# Altium PCB STB_LightBoard.PcbDoc (part 11 of 31) (continued)
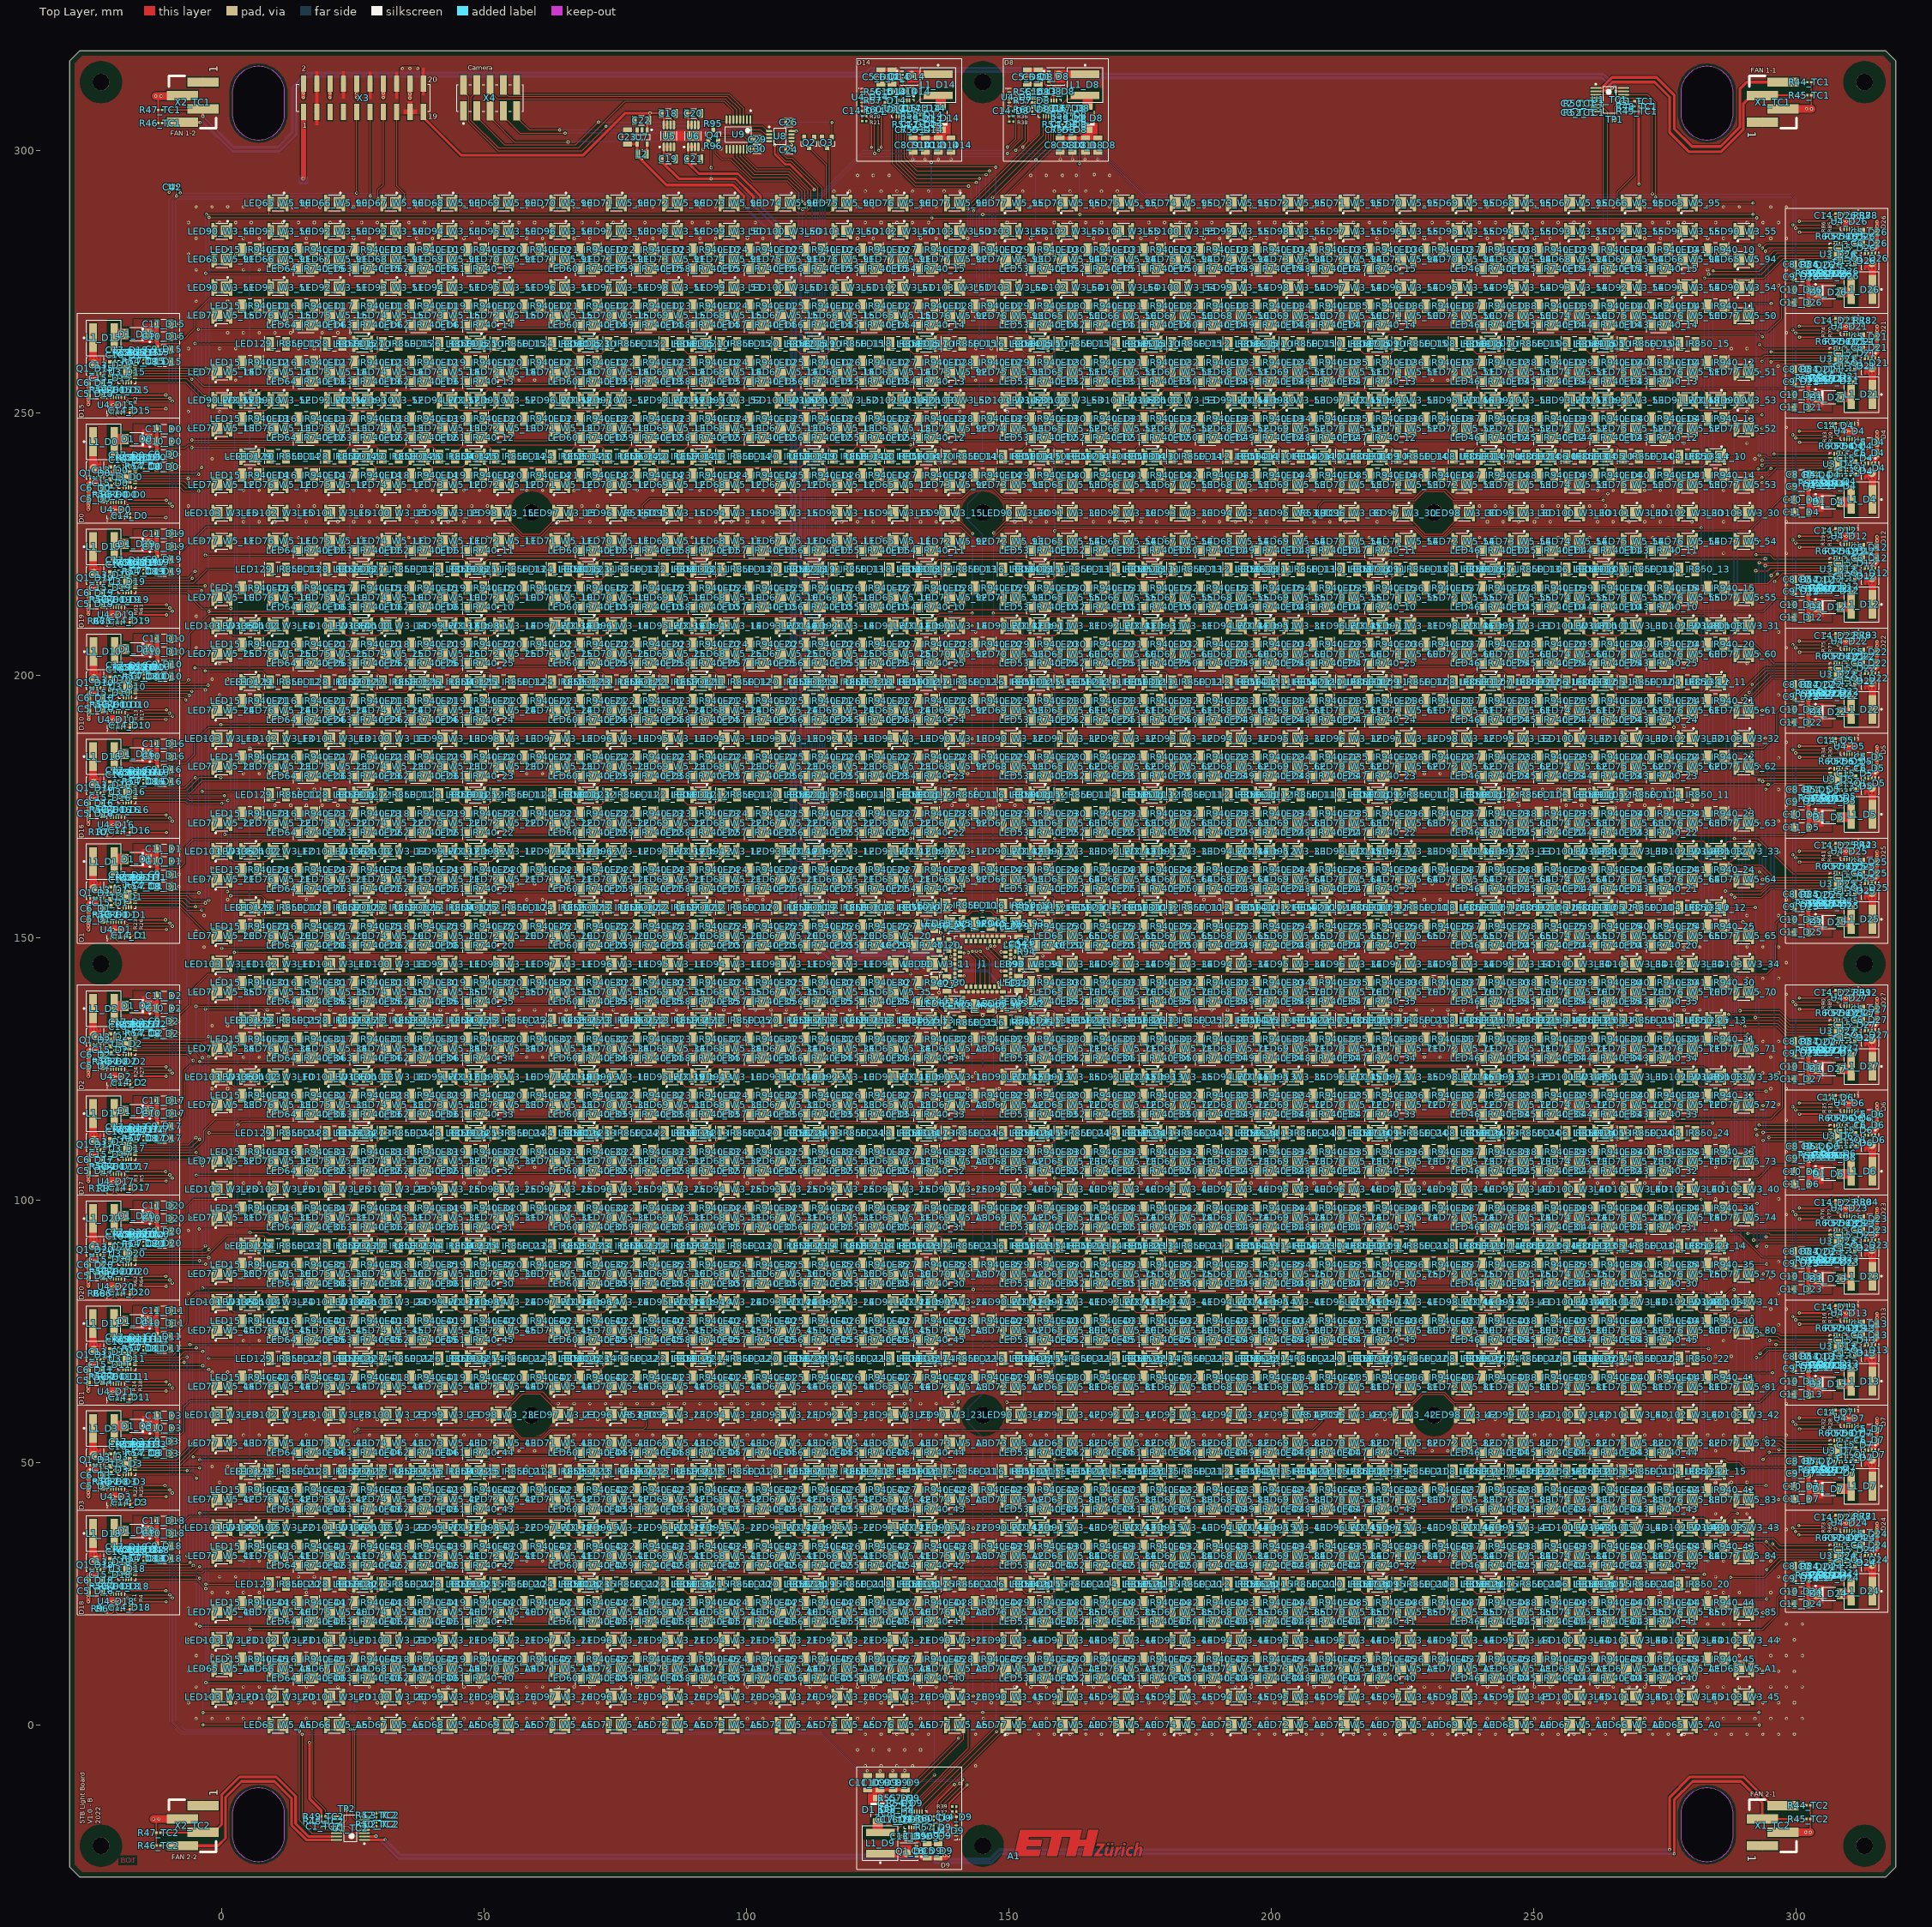
[diagram p0: Top Layer view]
## Part data (continued)
C2_TC1 C2_TC2 C3_TC1 C3_TC2: library part CMP-2008-02464-1, Capacitor Type=Ceramic, Manufacturer="AVX Interconnect / Elco", Manufacturer Part Number=04023A101KAT2A, Max Operating Temperature=125°C, Min Operating Temperature=-55°C, Negative Tolerance=10%, Package Shape=Rectangular, Package Style=SMTMeter, Rated DC Voltage (URdc)=25V, Supplier Part Number 1=478-12608-6-ND, Temperature Characteristics Code=C0G, Category="Ceramic Capacitors", ComponentLink1Description=https://datasheet.ciiva.com:443/pdfs/VipMasterIC/IC/AVXC/AVXC-S-A0008899940/AVXC-S-A0008899940-1.pdf?src-supplier=IHS+Markit, ComponentLink1URL=https://datasheet.ciiva.com:443/pdfs/VipMasterIC/IC/AVXC/AVXC-S-A0008899940/AVXC-S-A0008899940-1.pdf?src-supplier=IHS+Markit, ComponentLink2Description=https://datasheet.ciiva.com/26949/getdatasheetpartid-709922-26949850.pdf?src-supplier=Verical, ComponentLink2URL=https://datasheet.ciiva.com/26949/getdatasheetpartid-709922-26949850.pdf?src-supplier=Verical, ComponentLink3Description=https://datasheet.ciiva.com/206/ccog-206339.pdf?src-supplier=Digi-Key, ComponentLink3URL=https://datasheet.ciiva.com/206/ccog-206339.pdf?src-supplier=Digi-Key, ComponentLink4Description=https://datasheet.ciiva.com/7348/759117-7348584.pdf?src-supplier=Newark, ComponentLink4URL=https://datasheet.ciiva.com/7348/759117-7348584.pdf?src-supplier=Newark, ComponentLink5Description=https://datasheet.ciiva.com/2990/ccog-2990123.pdf?src-supplier=Avnet, ComponentLink5URL=https://datasheet.ciiva.com/2990/ccog-2990123.pdf?src-supplier=Avnet, ComponentLink6Description=https://datasheet.ciiva.com/28453/1796416-28453629.pdf?src-supplier=Element14, ComponentLink6URL=https://datasheet.ciiva.com/28453/1796416-28453629.pdf?src-supplier=Element14, Dielectric Material=Ceramic, Height=0.56mm, JESD-609 Code=e3, Length=1mm, Mount="Surface Mount", Multilayer=Yes, Number of Pins=2, Packaging="Tape and Reel", Part Number=04023A101KAT2A, Positive Tolerance=10%, Pricing 1="1=0.11000, 10=0.07800, 50=0.04240, 100=0.03460, 500=0.02474, 1000=0.01944, 2500=0.01768, 5000=0.01626 (USD)", REACH SVHC=Yes, RoHS=Yes, RoHS Compliant=Yes, Size Code=0402, Stock 1=32266, Supplier 1=Digi-Key, Terminal Finish=Nickel, Termination=Wraparound, Width=0.5mm
C5_D0 C5_D1 C5_D2 C5_D3 C5_D4 C5_D5 C5_D6 C5_D7 C5_D8 C5_D9 C5_D10 C5_D11 C5_D12 C5_D13 C5_D14 C5_D15 C5_D16 C5_D17 C5_D18 C5_D19 C5_D20 C5_D21 C5_D22 C5_D23 C5_D24 C5_D25 C5_D26 C5_D27 C6_D0 C6_D1 C6_D2 C6_D3 C6_D4 C6_D5 C6_D6 C6_D7 C6_D8 C6_D9 C6_D10 C6_D11 C6_D12 C6_D13 C6_D14 C6_D15 C6_D16 C6_D17 C6_D18 C6_D19 C6_D20 C6_D21 C6_D22 C6_D23 C6_D24 C6_D25 C6_D26 C6_D27 C8_D0 C8_D1 C8_D2 C8_D3 C8_D4 C8_D5 C8_D6 C8_D7 C8_D8 C8_D9 C8_D10 C8_D11 C8_D12 C8_D13 C8_D14 C8_D15 C8_D16 C8_D17 C8_D18 C8_D19 C8_D20 C8_D21 C8_D22 C8_D23 C8_D24 C8_D25 C8_D26 C8_D27 C9_D0 C9_D1 C9_D2 C9_D3 C9_D4 C9_D5 C9_D6 C9_D7 C9_D8 C9_D9 C9_D10 C9_D11 C9_D12 C9_D13 C9_D14 C9_D15 C9_D16 C9_D17 C9_D18 C9_D19 C9_D20 C9_D21 C9_D22 C9_D23 C9_D24 C9_D25 C9_D26 C9_D27 C10_D0 C10_D1 C10_D2 C10_D3 C10_D4 C10_D5 C10_D6 C10_D7 C10_D8 C10_D9 C10_D10 C10_D11 C10_D12 C10_D13 C10_D14 C10_D15 C10_D16 C10_D17 C10_D18 C10_D19 C10_D20 C10_D21 C10_D22 C10_D23 C10_D24 C10_D25 C10_D26 C10_D27 C11_D0 C11_D1 C11_D2 C11_D3 C11_D4 C11_D5 C11_D6 C11_D7 C11_D8 C11_D9 C11_D10 C11_D11 C11_D12 C11_D13 C11_D14 C11_D15 C11_D16 C11_D17 C11_D18 C11_D19 C11_D20 C11_D21 C11_D22 C11_D23 C11_D24 C11_D25 C11_D26 C11_D27 C18 C19 C20 C21 C22 C23 C27 C31 C34: library part CMP-2000-07530-2, "CAP CER 10UF 50V X7R 1206", Capacitance=10uF, Capacitor Type=Ceramic, Manufacturer=Samsung, Manufacturer Part Number=CL31B106KBHNNNE, Max Operating Temperature=125°C, Min Operating Temperature=-55°C, Negative Tolerance=10%, Package Shape=Rectangular, Package Style=SMTMeter, Rated DC Voltage (URdc)=50V, Supplier Part Number 1=1276-6767-6-ND, Temperature="-55°C to +125°C", Temperature Characteristic=X7R, Temperature Coefficient=15%, Temperature Range High=+125°C, Automotive=No, Category=Cap, ComponentLink1Description=https://datasheet.ciiva.com:443/pdfs/VipMasterIC/IC/SEMS/SEMS-S-A0008524842/SEMS-S-A0008524770-1.pdf?src-supplier=IHS+Markit, ComponentLink1URL=https://datasheet.ciiva.com:443/pdfs/VipMasterIC/IC/SEMS/SEMS-S-A0008524842/SEMS-S-A0008524770-1.pdf?src-supplier=IHS+Markit, ComponentLink2Description=Datasheet, ComponentLink2URL=http://www.samsungsem.com/global/front/downloadcms.do?path=%2F%2Fglobal%2F%2Fsupport%2F%2Fproduct-search%2F%2Fmlcc%2F%2F__icsFiles%2F%2Fafieldfile%2F%2F2019%2F%2F06%2F%2F18&fileName=CL31B106KBHNNNE-19.pdf, ComponentLink3Description=http://www.samsungsem.com/kr/support/product-search/mlcc/CL31B106KBHNNNE.jsp?src-supplier=Digi-Key, ComponentLink3URL=http://www.samsungsem.com/kr/support/product-search/mlcc/CL31B106KBHNNNE.jsp?src-supplier=Digi-Key, Device Class L1="Passive Components", Device Class L2=Capacitors, Device Class L3="Ceramic Capacitors", Dielectric Material=Ceramic, Digikey Description="CAP CER 10UF 50V X7R 1206", Height=1.8mm, JESD-609 Code=e3, Lead Free=Yes, Length=3.2mm, Material=Ceramic, Mount="Surface Mount", Multilayer=Yes, Number of Pins=2, Octopart=https://octopart.com/cl31b106kbhnnne-samsung-30507377, Package=CL31B106KBHNNNE, Packaging="Tape and Reel", Positive Tolerance=10%, Pricing 1="1=0.33000, 10=0.22700, 50=0.15920, 100=0.13650, 500=0.10236, 1000=0.08643 (USD)", REACH SVHC=Yes, RoHS=TRUE, RoHS Compliant=Yes, Size Code=1206, Stock 1=1900998, Supplier 1=Digi-Key, Temperature Characteristics Code=X7R, Temperature Range Low=-55°C, Terminal Finish=Nickel, Termination=Wraparound, Tolerance=10%, Voltage Rating=50V, Width=1.6mm
C7_D0 C7_D1 C7_D2 C7_D3 C7_D4 C7_D5 C7_D6 C7_D7 C7_D8 C7_D9 C7_D10 C7_D11 C7_D12 C7_D13 C7_D14 C7_D15 C7_D16 C7_D17 C7_D18 C7_D19 C7_D20 C7_D21 C7_D22 C7_D23 C7_D24 C7_D25 C7_D26 C7_D27: library part CMP-2008-02634-1, Capacitor Type=Ceramic, Manufacturer="AVX Interconnect / Elco", Manufacturer Part Number=04025A300JAT2A, Max Operating Temperature=125°C, Min Operating Temperature=-55°C, Negative Tolerance=5%, Package Shape=Rectangular, Rated DC Voltage (URdc)=50V, Supplier Part Number 1=478-10097-1-ND, Temperature Characteristics Code=C0G, Category="Ceramic Capacitors", ComponentLink1Description=https://datasheet.ciiva.com:443/pdfs/VipMasterIC/IC/AVXC/AVXCS07796/AVXCS07796-1.pdf?src-supplier=IHS+Markit, ComponentLink1URL=https://datasheet.ciiva.com:443/pdfs/VipMasterIC/IC/AVXC/AVXCS07796/AVXCS07796-1.pdf?src-supplier=IHS+Markit, ComponentLink2Description=https://datasheet.ciiva.com/205/ccog-205474.pdf?src-supplier=Digi-Key, ComponentLink2URL=https://datasheet.ciiva.com/205/ccog-205474.pdf?src-supplier=Digi-Key, ComponentLink3Description=https://datasheet.ciiva.com/5424/ccog-243403-5424903.pdf?src-supplier=Mouser, ComponentLink3URL=https://datasheet.ciiva.com/5424/ccog-243403-5424903.pdf?src-supplier=Mouser, Dielectric Material=Ceramic, JESD-609 Code=e3, Mount="Surface Mount", Multilayer=Yes, Number of Pins=2, Packaging="Tape and Reel", Part Number=04025A300JAT2A, Positive Tolerance=5%, Pricing 1="1=0.22000, 10=0.15200, 50=0.09080, 100=0.07680, 500=0.05252, 1000=0.04646, 2500=0.04444, 5000=0.04040 (USD)", Reach SVHC Compliant=Yes, RoHS=Yes, RoHS Compliant=Yes, Size Code=0402, Stock 1=53990, Supplier 1=Digi-Key, Terminal Finish=Nickel, Termination=Wraparound
C12_D0 C12_D1 C12_D2 C12_D3 C12_D4 C12_D5 C12_D6 C12_D7 C12_D8 C12_D9 C12_D10 C12_D11 C12_D12 C12_D13 C12_D14 C12_D15 C12_D16 C12_D17 C12_D18 C12_D19 C12_D20 C12_D21 C12_D22 C12_D23 C12_D24 C12_D25 C12_D26 C12_D27: library part CMP-1662-00017-1, "Chip Capacitor, 1 nF, +/- 10%, 50 V, -55 to 125 degC, 0402 (1005 Metric), RoHS, Tape and Reel", Capacitor Type=Ceramic, Case Code (Imperial)=0402, Case Code (Metric)=1005, Manufacturer=Murata, Manufacturer Part Number=GRM155R71H102KA01D, Max Operating Temperature="125 degC", Min Operating Temperature="-55 degC", Negative Tolerance=10%, Package Quantity=10000, Package Shape=Rectangular, Package Style=SMTMeter, Rated DC Voltage (URdc)=50V, Supplier Part Number 1=490-1303-6-ND, Temperature Characteristics Code=X7R, Voltage Rating="50 V", Case\/Package=0402, Category="Ceramic Capacitors", ComponentLink1Description="Manufacturer URL", ComponentLink1URL=http://www.murata.com/, ComponentLink2Description=Datasheet, ComponentLink2URL=http://psearch.en.murata.com/capacitor/product/GRM155R71H102KA01%23.pdf, ComponentLink3Description=https://datasheet.ciiva.com:443/pdfs/VipMasterIC/IC/MURE/MURE-S-A0008911154/MURE-S-A0008911121-1.pdf?src-supplier=IHS+Markit, ComponentLink3URL=https://datasheet.ciiva.com:443/pdfs/VipMasterIC/IC/MURE/MURE-S-A0008911154/MURE-S-A0008911121-1.pdf?src-supplier=IHS+Markit, DatasheetVersion=07/2016, Dielectric Material=Ceramic, Height="0.5 mm", JESD-609 Code=e3, Length="1 mm", Mount="Surface Mount", Mounting Technology="Surface Mount", Multilayer=Yes, Number of Pins=2, PackageDescription="2-Pin Surface Mount Device, Body 1 x 0.5 mm", PackageReference=0402, Packaging="Tape and Reel", Pins=2, Positive Tolerance=10%, Pricing 1="1=0.10000, 10=0.01800, 50=0.01000, 100=0.00810, 500=0.00578, 1000=0.00454, 2500=0.00412, 5000=0.00380 (USD)", Radiation Hardening=No, REACH SVHC="No SVHC", Reach SVHC Compliant=Yes, RoHS=Yes, RoHS Compliant=Yes, RoHSCompliant=true, Size Code=0402, Stock 1=9070370, Supplier 1=Digi-Key, Terminal Finish=Nickel, Termination=Wraparound, Tolerance=10%, Type (Capacitors)=X7R, Voltage Rating (DC)="50 V", Width="0.5 mm"
C13_D0 C13_D1 C13_D2 C13_D3 C13_D4 C13_D5 C13_D6 C13_D7 C13_D8 C13_D9 C13_D10 C13_D11 C13_D12 C13_D13 C13_D14 C13_D15 C13_D16 C13_D17 C13_D18 C13_D19 C13_D20 C13_D21 C13_D22 C13_D23 C13_D24 C13_D25 C13_D26 C13_D27 C24 C25 C29 C30: library part CMP-13271-000011-1, "CAP CER 0.1UF 50V X7R 0603", Capacitance=100nF, Capacitor Type=Ceramic, Manufacturer="Samsung Electro-Mechanics America, Inc", Manufacturer Part Number=CL10B104JB8NNNC, Max Operating Temperature=125°C, Min Operating Temperature=-55°C, Negative Tolerance=5%, Package=CL10-0.1, Package Shape=Rectangular, Package Style=SMTMeter, Rated DC Voltage (URdc)=50V, Supplier Part Number 1=1276-1033-1-ND, Temperature="-55°C to +125°C", Temperature Characteristic=X7R, Temperature Coefficient=15%, Temperature Range High=+125°C, Automotive=No, Category=Cap, ComponentLink1Description=https://datasheet.ciiva.com:443/pdfs/VipMasterIC/IC/SEMS/SEMS-S-A0008384515/SEMS-S-A0008873313-1.pdf?src-supplier=IHS+Markit, ComponentLink1URL=https://datasheet.ciiva.com:443/pdfs/VipMasterIC/IC/SEMS/SEMS-S-A0008384515/SEMS-S-A0008873313-1.pdf?src-supplier=IHS+Markit, ComponentLink2Description=Datasheet, ComponentLink2URL=http://www.samsungsem.com/kr/support/product-search/mlcc/__icsFiles/afieldfile/2019/06/18/CL10B104JB8NNNC-19.pdf, ComponentLink3Description=https://datasheet.ciiva.com/25793/cl10b104jb8nnnc-25793394.pdf?src-supplier=Digi-Key, ComponentLink3URL=https://datasheet.ciiva.com/25793/cl10b104jb8nnnc-25793394.pdf?src-supplier=Digi-Key, ComponentLink4Description=https://datasheet.ciiva.com/16498/cl10b104jb8nnnc-16498485.pdf?src-supplier=Future+Electronics, ComponentLink4URL=https://datasheet.ciiva.com/16498/cl10b104jb8nnnc-16498485.pdf?src-supplier=Future+Electronics, ComponentLink5Description=https://datasheet.ciiva.com/26838/getdatasheetpartid-359321-26838402.pdf?src-supplier=Verical, ComponentLink5URL=https://datasheet.ciiva.com/26838/getdatasheetpartid-359321-26838402.pdf?src-supplier=Verical, ComponentLink6Description=https://datasheet.ciiva.com/29199/456613-da-01-en-vs-kondensator-0603-29199008.pdf?src-supplier=Conrad, ComponentLink6URL=https://datasheet.ciiva.com/29199/456613-da-01-en-vs-kondensator-0603-29199008.pdf?src-supplier=Conrad, Device Class L1="Passive Components", Device Class L2=Capacitors, Device Class L3="Ceramic Capacitors", Dielectric Material=Ceramic, Digikey Description="CAP CER 0.1UF 50V X7R 0603", Height=0.9mm, Ipc Land Pattern Name=CAPC16080X80, JESD-609 Code=e3, Lead Free=Yes, Length=1.6mm, Material=Ceramic, Mount="Surface Mount", Multilayer=Yes, Number of Pins=2, Octopart=https://octopart.com/cl10b104jb8nnnc-samsung-9302151, Packaging="Tape and Reel", Positive Tolerance=5%, Pricing 1="1=0.10000, 10=0.03900, 50=0.02120, 100=0.01740, 500=0.01240, 1000=0.00975 (USD)", REACH SVHC=Yes, RoHS=TRUE, RoHS Compliant=Yes, Size Code=0603, Stock 1=1084419, Supplier 1=Digi-Key, Temperature Characteristics Code=X7R, Temperature Range Low=-55°C, Terminal Finish=Nickel, Termination=Wraparound, Tolerance=5%, Voltage Rating=50V, Width=0.8mm
C15_D0 C15_D1 C15_D2 C15_D3 C15_D4 C15_D5 C15_D6 C15_D7 C15_D8 C15_D9 C15_D10 C15_D11 C15_D12 C15_D13 C15_D14 C15_D15 C15_D16 C15_D17 C15_D18 C15_D19 C15_D20 C15_D21 C15_D22 C15_D23 C15_D24 C15_D25 C15_D26 C15_D27 C26: library part CMP-2006-02298-2, Capacitor Type=Ceramic, Manufacturer=Kemet, Manufacturer Part Number=C0603C105K4RACTU, Max Operating Temperature=125°C, Min Operating Temperature=-55°C, Negative Tolerance=10%, Package Shape=Rectangular, Package Style=SMTMeter, Rated DC Voltage (URdc)=16V, Supplier Part Number 1=399-C0603C105K4RAC7867DKR-ND, Temperature Characteristics Code=X7R, Category="Ceramic Capacitors", ComponentLink1Description=https://datasheet.ciiva.com:443/pdfs/VipMasterIC/IC/KEME/KEME-S-A0008991654/KEME-S-A0008991654-1.pdf?src-supplier=IHS+Markit, ComponentLink1URL=https://datasheet.ciiva.com:443/pdfs/VipMasterIC/IC/KEME/KEME-S-A0008991654/KEME-S-A0008991654-1.pdf?src-supplier=IHS+Markit, Dielectric Material=Ceramic, Height=0.8mm, JESD-609 Code=e3, Length=1.6mm, Mount="Surface Mount", Multilayer=Yes, Number of Pins=2, Packaging="Tape and Reel", Part Number=C0603C105K4RACTU, Positive Tolerance=10%, Pricing 1="1=0.10000, 10=0.07700, 50=0.04180, 100=0.03410, 500=0.02440, 1000=0.01916 (USD)", REACH SVHC=Yes, RoHS=Yes, RoHS Compliant=Yes, Size Code=0603, Stock 1=1549593, Supplier 1=Digi-Key, Terminal Finish=Nickel, Termination=Wraparound, Width=0.8mm
C16_D0 C16_D1 C16_D2 C16_D3 C16_D4 C16_D5 C16_D6 C16_D7 C16_D8 C16_D9 C16_D10 C16_D11 C16_D12 C16_D13 C16_D14 C16_D15 C16_D16 C16_D17 C16_D18 C16_D19 C16_D20 C16_D21 C16_D22 C16_D23 C16_D24 C16_D25 C16_D26 C16_D27: library part CMP-2008-02723-1, Capacitor Type=Ceramic, Manufacturer="AVX Interconnect / Elco", Manufacturer Part Number=04025C391JAT2A, Max Operating Temperature=125°C, Min Operating Temperature=-55°C, Negative Tolerance=5%, Package Shape=Rectangular, Package Style=SMTMeter, Rated DC Voltage (URdc)=50V, Supplier Part Number 1=478-5269-6-ND, Temperature Characteristics Code=X7R, Category="Ceramic Capacitors", ComponentLink1Description=https://datasheet.ciiva.com:443/pdfs/VipMasterIC/IC/AVXC/AVXC-S-A0008668650/AVXC-S-A0008668650-1.pdf?src-supplier=IHS+Markit, ComponentLink1URL=https://datasheet.ciiva.com:443/pdfs/VipMasterIC/IC/AVXC/AVXC-S-A0008668650/AVXC-S-A0008668650-1.pdf?src-supplier=IHS+Markit, ComponentLink2Description=https://datasheet.ciiva.com/152/cx7r-152296.pdf?src-supplier=Digi-Key, ComponentLink2URL=https://datasheet.ciiva.com/152/cx7r-152296.pdf?src-supplier=Digi-Key, ComponentLink3Description=https://datasheet.ciiva.com/152/cx7r-152297.pdf?src-supplier=Digi-Key, ComponentLink3URL=https://datasheet.ciiva.com/152/cx7r-152297.pdf?src-supplier=Digi-Key, ComponentLink4Description=https://datasheet.ciiva.com/152/cx7r-152298.pdf?src-supplier=Digi-Key, ComponentLink4URL=https://datasheet.ciiva.com/152/cx7r-152298.pdf?src-supplier=Digi-Key, ComponentLink5Description=https://datasheet.ciiva.com/16327/cx7r-16327679.pdf?src-supplier=Future+Electronics, ComponentLink5URL=https://datasheet.ciiva.com/16327/cx7r-16327679.pdf?src-supplier=Future+Electronics, Dielectric Material=Ceramic, Height=0.56mm, JESD-609 Code=e3, Length=1mm, Mount="Surface Mount", Multilayer=Yes, Number of Pins=2, Packaging="Tape and Reel", Part Number=04025C391JAT2A, Positive Tolerance=5%, Pricing 1="1=0.34000, 10=0.23000, 50=0.15360, 100=0.13050, 500=0.09212, 1000=0.08060, 2500=0.07676, 5000=0.07100 (USD)", REACH SVHC=Yes, RoHS=Yes, RoHS Compliant=Yes, Size Code=0402, Stock 1=11766, Supplier 1=Digi-Key, Terminal Finish=Nickel, Termination=Wraparound, Width=0.5mm
C17_D0 C17_D1 C17_D2 C17_D3 C17_D4 C17_D5 C17_D6 C17_D7 C17_D8 C17_D9 C17_D10 C17_D11 C17_D12 C17_D13 C17_D14 C17_D15 C17_D16 C17_D17 C17_D18 C17_D19 C17_D20 C17_D21 C17_D22 C17_D23 C17_D24 C17_D25 C17_D26 C17_D27: library part CMP-2008-02533-1, Capacitor Type=Ceramic, Manufacturer="AVX Interconnect / Elco", Manufacturer Part Number=04023C332KAT2A, Max Operating Temperature=125°C, Min Operating Temperature=-55°C, Negative Tolerance=10%, Package Shape=Rectangular, Package Style=SMTMeter, Rated DC Voltage (URdc)=25V, Supplier Part Number 1=478-12621-6-ND, Temperature Characteristics Code=X7R, Category="Ceramic Capacitors", ComponentLink1Description=https://datasheet.ciiva.com:443/pdfs/VipMasterIC/IC/AVXC/AVXC-S-A0009640452/AVXC-S-A0009640452-1.pdf?src-supplier=IHS+Markit, ComponentLink1URL=https://datasheet.ciiva.com:443/pdfs/VipMasterIC/IC/AVXC/AVXC-S-A0009640452/AVXC-S-A0009640452-1.pdf?src-supplier=IHS+Markit, ComponentLink2Description=https://datasheet.ciiva.com/206/cx7r-206442.pdf?src-supplier=Digi-Key, ComponentLink2URL=https://datasheet.ciiva.com/206/cx7r-206442.pdf?src-supplier=Digi-Key, ComponentLink3Description=https://datasheet.ciiva.com/11578/cx7r-11578284.pdf?src-supplier=Avnet, ComponentLink3URL=https://datasheet.ciiva.com/11578/cx7r-11578284.pdf?src-supplier=Avnet, Dielectric Material=Ceramic, Height=0.56mm, JESD-609 Code=e3, Length=1mm, Mount="Surface Mount", Multilayer=Yes, Number of Pins=2, Packaging="Tape and Reel", Part Number=04023C332KAT2A, Positive Tolerance=10%, Pricing 1="1=0.10000, 10=0.03300, 50=0.01820, 100=0.01480, 500=0.01060, 1000=0.00833, 2500=0.00758, 5000=0.00697 (USD)", Reach SVHC Compliant=Yes, RoHS=Yes, RoHS Compliant=Yes, Size Code=0402, Stock 1=22877, Supplier 1=Digi-Key, Terminal Finish=Nickel, Termination=Wraparound, Width=0.5mm
D1_D0 D1_D1 D1_D2 D1_D3 D1_D4 D1_D5 D1_D6 D1_D7 D1_D8 D1_D9 D1_D10 D1_D11 D1_D12 D1_D13 D1_D14 D1_D15 D1_D16 D1_D17 D1_D18 D1_D19 D1_D20 D1_D21 D1_D22 D1_D23 D1_D24 D1_D25 D1_D26 D1_D27: library part CMP-02090-1, "Diode Schottky 60 V 3A Surface Mount SOD-128/CFP5", Forward Voltage-Max (VF)=475mV, Manufacturer=Nexperia, Max Operating Temperature=175°C, Max Output Current=4.2A, Max Power Dissipation=750mW, Max Reverse Current=400uA, Min Operating Temperature=-55°C, Non-rep Pk Forward Current-Max=70A, Package Body Material=Plastic, Package Shape=Rectangular, Package Style="SMALL OUTLINEMeter", Rep Pk Reverse Voltage-Max=60V, Supplier Part Number 1=1727-1349-2-ND, Application(s)=EFFICIENCY, Category="Rectifier Diodes", ComponentLink1Description=https://datasheet.ciiva.com:443/pdfs/VipMasterIC/IC/NEXP/NEXP-S-A0003060256/NEXP-S-A0003060189-1.pdf?src-supplier=IHS+Markit, ComponentLink1URL=https://datasheet.ciiva.com:443/pdfs/VipMasterIC/IC/NEXP/NEXP-S-A0003060256/NEXP-S-A0003060189-1.pdf?src-supplier=IHS+Markit, ComponentLink2Description=http://www.farnell.com/datasheets/1738907.pdf?src-supplier=Farnell, ComponentLink2URL=http://www.farnell.com/datasheets/1738907.pdf?src-supplier=Farnell, ComponentLink3Description=http://www.farnell.com/datasheets/1738907.pdf?src-supplier=Newark, ComponentLink3URL=http://www.farnell.com/datasheets/1738907.pdf?src-supplier=Newark, ComponentLink4Description=https://assets.nexperia.com/documents/data-sheet/PMEG6030EVP.pdf?src-supplier=Digi-Key, ComponentLink4URL=https://assets.nexperia.com/documents/data-sheet/PMEG6030EVP.pdf?src-supplier=Digi-Key, ComponentLink5Description=http://www.farnell.com/datasheets/1738907.pdf?src-supplier=Element14, ComponentLink5URL=http://www.farnell.com/datasheets/1738907.pdf?src-supplier=Element14, Diode Element Material=SILICON, Diode Type=RECTIFIER, JESD-30 Code=R-PDSO-F2, Manufacturer Part Number=PMEG6030EVPX, Number of Elements=1, Number of Phases=1, Number of Pins=2, Pricing 1="3000=0.17153, 6000=0.16046, 15000=0.15660 (USD)", REACH SVHC=Yes, Reach SVHC Compliant=No, Reference Standard=AEC-Q101, Reverse Recovery Time-Max=0.02us, RoHS=No, RoHS Compliant=Yes, Stock 1=216000, Supplier 1=Digi-Key, Surface Mount=Yes, Technology=SCHOTTKY, Terminal Form=Flat, Terminal Position=DUAL
J1: library part CMP-04777-000001-1, "CONN CAM SOCKET 32POS GOLD", Current Rating=0.5A, Manufacturer=Molex, Package=0, Temperature="-55°C to +85°C", Temperature Range High=+85°C, Temperature Range Low=-55°C, Voltage Rating=50V, Automotive=No, Category=Conn, ComponentLink2Description=Datasheet, ComponentLink2URL=https://www.molex.com/pdm_docs/sd/1050281001_sd.pdf, Conn Gender=Female, Conn Orientation="Top View", Contact Material=Gold, Device Class L1=Connectors, Device Class L2="IC and Component Sockets", Device Class L3=unset, Digikey Description="CONN CAM SOCKET 32POS GOLD", Height=4.35mm, Is Female=yes, Lead Free=Yes, Manufacturer Part Number=1050281001, Number of Contacts=32, Octopart=https://octopart.com/105028-1001-molex-19914268, Pitch=0.9mm, RoHS=TRUE
L1_D0 L1_D1 L1_D2 L1_D3 L1_D4 L1_D5 L1_D6 L1_D7 L1_D8 L1_D9 L1_D10 L1_D11 L1_D12 L1_D13 L1_D14 L1_D15 L1_D16 L1_D17 L1_D18 L1_D19 L1_D20 L1_D21 L1_D22 L1_D23 L1_D24 L1_D25 L1_D26 L1_D27: library part CMP-11268-000180-1, "Power inductor, shielded, 20% tol, SMT, RoHS, halogen, SMD2", Case/Package=SMD/SMT, Case/Size Code=2526, DC Resistance (DCR)=43.75mR, Inductance Tolerance=20%, Inductor Application="POWER INDUCTOR", Inductor Type="GENERAL PURPOSE INDUCTOR", Manufacturer=Coilcraft, Manufacturer Part Number=XAL6060-153MEC, Max DC Current=6A, Max Operating Temperature=125°C, Min Operating Temperature=-40°C, Package Height=6.1mm, Package Length=6.56mm, Package Quantity=250, Package Style=SMTMeter, Package Width=6.36mm, Saturation Current=5.8A, Self Resonant Frequency=11MHz, Supplier Part Number 1=994-XAL6060-153MEC, Test Frequency=100kHz, Category="Fixed Inductors", ComponentLink1Description=https://datasheet.ciiva.com:443/pdfs/VipMasterIC/IC/COLC/COLC-S-A0006757260/COLC-S-A0006757260-1.pdf?src-supplier=IHS+Markit, ComponentLink1URL=https://datasheet.ciiva.com:443/pdfs/VipMasterIC/IC/COLC/COLC-S-A0006757260/COLC-S-A0006757260-1.pdf?src-supplier=IHS+Markit, ComponentLink2Description=https://datasheet.ciiva.com/22680/1681993-22680391.pdf?src-supplier=Element14, ComponentLink2URL=https://datasheet.ciiva.com/22680/1681993-22680391.pdf?src-supplier=Element14, ComponentLink3Description=https://datasheet.ciiva.com/22680/1681993-22680392.pdf?src-supplier=Element14, ComponentLink3URL=https://datasheet.ciiva.com/22680/1681993-22680392.pdf?src-supplier=Element14, ComponentLink4Description=https://datasheet.ciiva.com/22738/1681993-22738318.pdf?src-supplier=Element14, ComponentLink4URL=https://datasheet.ciiva.com/22738/1681993-22738318.pdf?src-supplier=Element14, Construction=Shielded, Core Material=Composite, Height=6.1mm, Inductance=15uH, JESD-609 Code=e2, Lead Free="Contains Lead", Length=6.76mm, Mount="Surface Mount", Number of Functions=1, Number of Pins=2, Packaging="Tape and Reel", Pricing 1="1=3.81000, 10=3.81000, 50=3.81000, 100=3.05000, 1000=1.36000, 10000=1.36000 (USD)", Rated Current-Max=6A, REACH SVHC="No SVHC", Reference Standard=AEC-Q200, RMS Current (Irms)=6A, RoHS=Yes, RoHS Compliant=Yes, Series=XAL6060, Shape/Size Description="RECTANGULAR PACKAGE", Shielding=Shielded, Stock 1=38539, Supplier 1=Mouser, Surface Mount=Yes, Terminal Finish=Tin, Terminal Placement="Dual Ended", Termination=SMD/SMT, Tolerance=20%, Width=6.56mm
L2: library part CMP-01651-1, "2.2µH Shielded Wirewound Inductor 1.8A 116mOhm Max 0806 (2016 Metric)", Current - Saturation=2.4A, Current Rating (Amps)=1,8A, DC Resistance (DCR)="116mOhm Max", Frequency - Self Resonant=-, Inductance=2,2µH, Inductance Frequency - Test=1MHz, Manufacturer="Murata Electronics", Manufacturer Part Number=DFE201612E-2R2M=P2, Operating Temperature="-40°C ~ 125°C", Package / Case="0806 (2016 Metric)", Supplier Device Package=0806, Tolerance=±20%, Features=-, Material - Core=Metal, Mounting Type="Surface Mount", Packaging="Tape & Reel (TR)", Part Status=Active, Q @ Freq=-, Ratings=-, Series=DFE201612E, Shielding=Shielded, Type=Wirewound
LED1_r_10 LED1_r_11 LED1_r_12 LED1_r_13 LED1_r_14 LED1_r_15 LED2_r_10 LED2_r_11 LED2_r_12 LED2_r_13 LED2_r_14 LED2_r_15 LED3_r_10 LED3_r_11 LED3_r_12 LED3_r_13 LED3_r_14 LED3_r_15 LED4_r_10 LED4_r_11 LED4_r_12 LED4_r_13 LED4_r_14 LED4_r_15 LED5_r_10 LED5_r_11 LED5_r_12 LED5_r_13 LED5_r_14 LED5_r_15 LED6_r_10 LED6_r_11 LED6_r_12 LED6_r_13 LED6_r_14 LED6_r_15 LED7_r_10 LED7_r_11 LED7_r_12 LED7_r_13 LED7_r_14 LED7_r_15 LED8_r_10 LED8_r_11 LED8_r_12 LED8_r_13 LED8_r_14 LED8_r_15 LED9_r_10 LED9_r_11 LED9_r_12 LED9_r_13 LED9_r_14 LED9_r_15 LED10_r_10 LED10_r_11 LED10_r_12 LED10_r_13 LED10_r_14 LED10_r_15 LED11_r_10 LED11_r_11 LED11_r_12 LED11_r_13 LED11_r_14 LED11_r_15 LED12_r_10 LED12_r_11 LED12_r_12 LED12_r_13 LED12_r_14 LED12_r_15 LED13_r_10 LED13_r_11 LED13_r_12 LED13_r_13 LED13_r_14 LED13_r_15 LED14_r_10 LED14_r_11 LED14_r_12 LED14_r_13 LED14_r_14 LED14_r_15 LED42_r_10 LED42_r_11 LED42_r_12 LED42_r_13 LED42_r_14 LED42_r_15 LED130_r_10 LED130_r_11 LED130_r_12 LED130_r_13 LED130_r_14 LED130_r_15 LED131_r_10 LED131_r_11 LED131_r_12 LED131_r_13 LED131_r_14 LED131_r_15 LED132_r_10 LED132_r_11 LED132_r_12 LED132_r_13 LED132_r_14 LED132_r_15 LED133_r_10 LED133_r_11 LED133_r_12 LED133_r_13 LED133_r_14 LED133_r_15 LED134_r_10 LED134_r_11 LED134_r_12 LED134_r_13 LED134_r_14 LED134_r_15: library part CMP-02062-1, "SMD LED Red 2,13 V, 16 lm 3030 (1212)", Color=Red, Manufacturer=Nichia, Intensity="16 lm", Manufacturer Part Number=NE2R757GT-P6, Optoelectronic Device Type="SINGLE COLOR LED", REACH SVHC="No SVHC", RoHS Compliant=Yes, Vf="2.13 V"